# KiCad board HPM6E00FULLPORTRevB.kicad_pcb (continued)
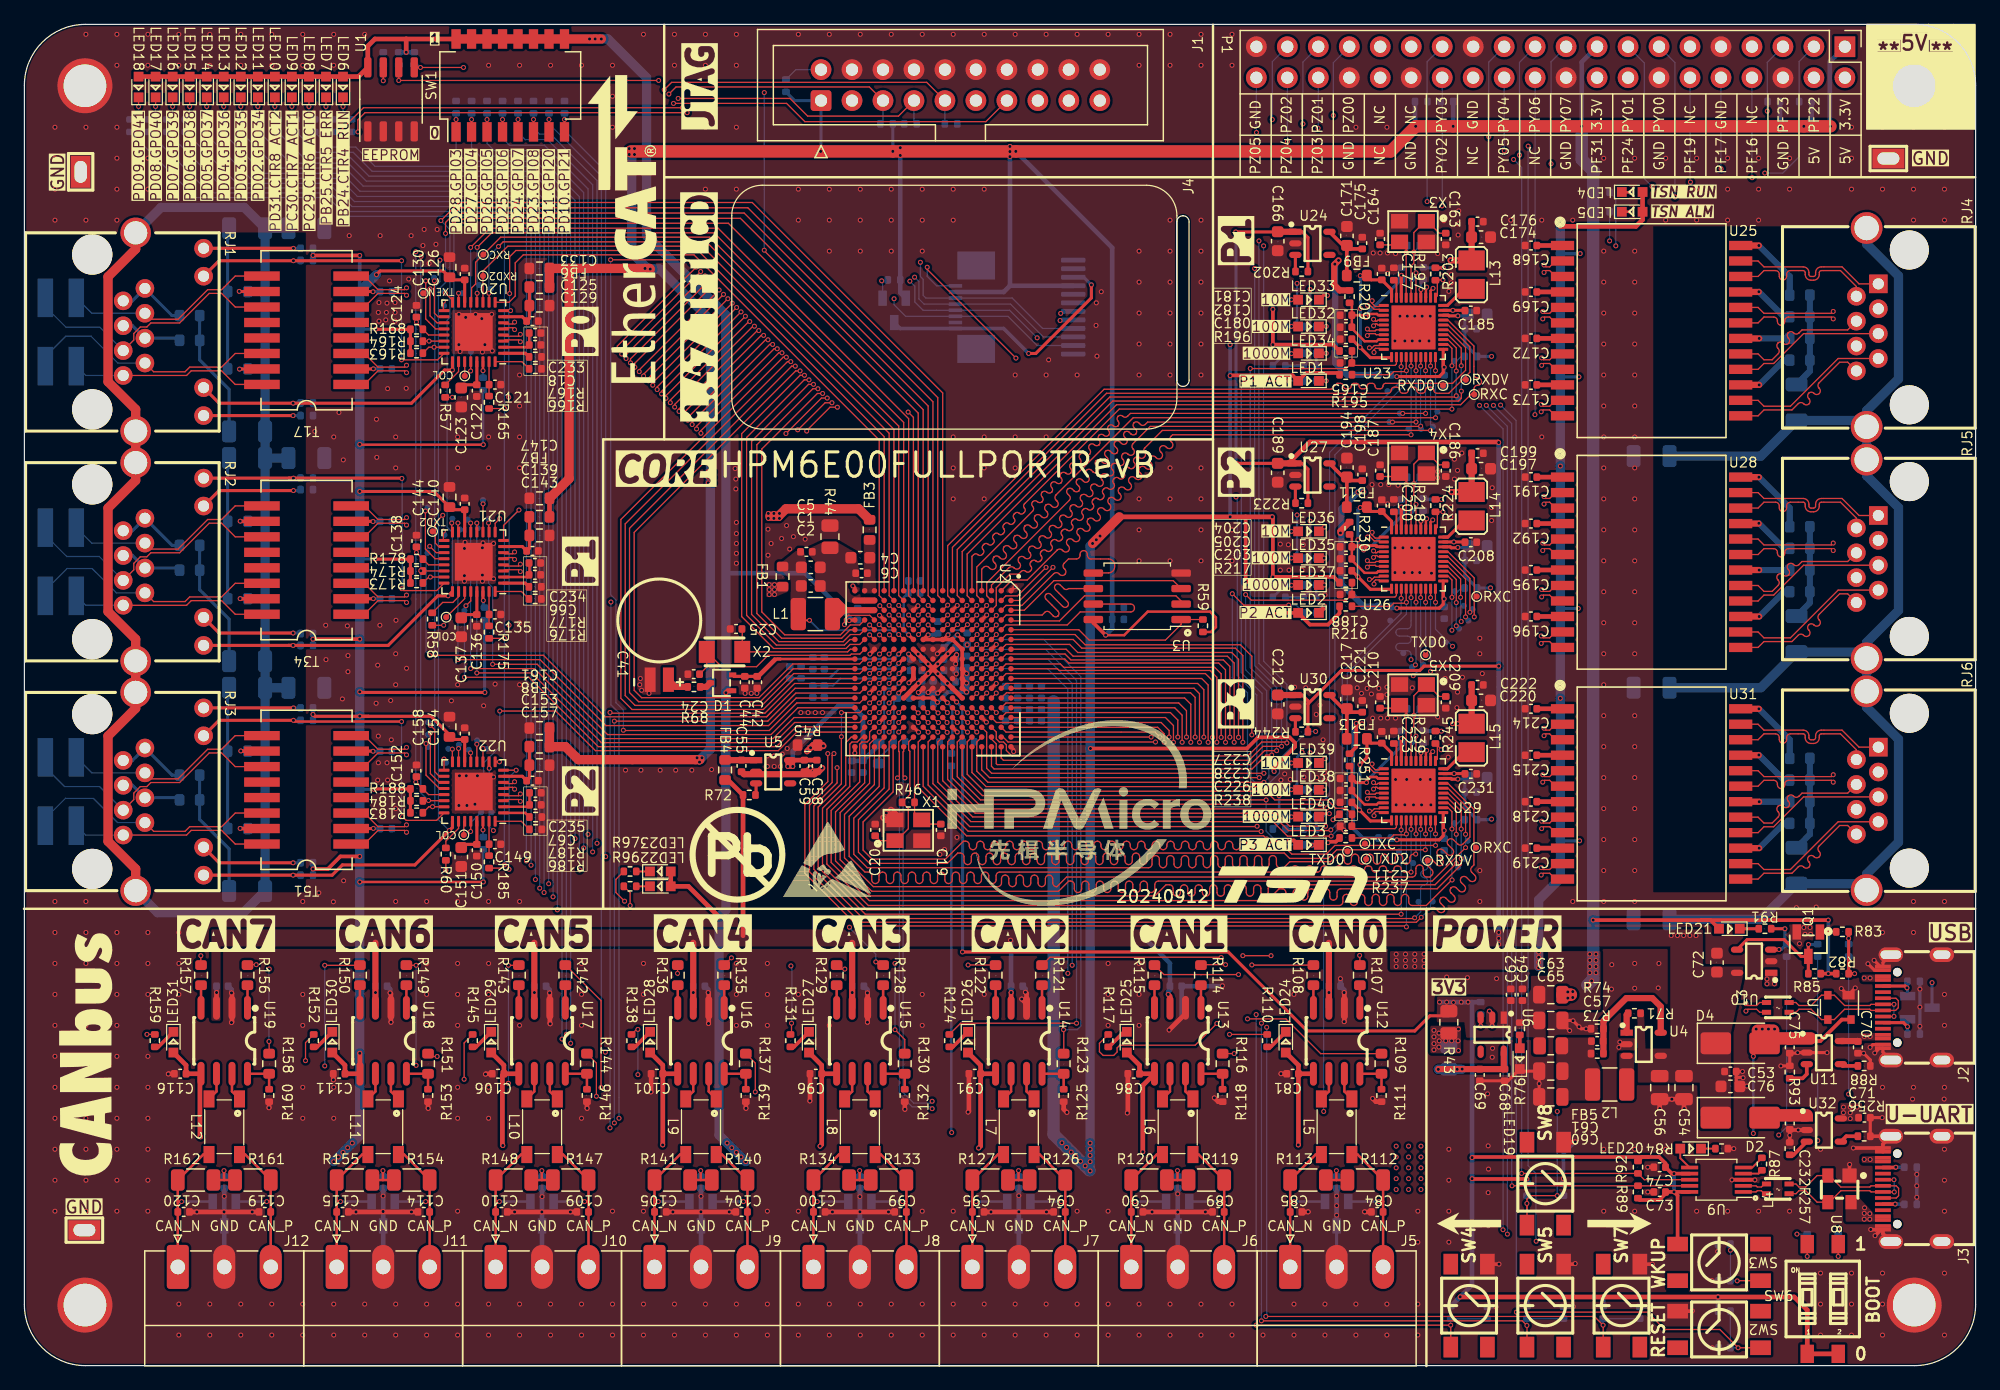
[diagram p0: board, top side]
## Routing (per net, layer and track width the routed paths; a pad name or vN(x,y) marks a point on that pad's centre or on a via; arc(x,y) is an arc through that point) (continued)
  Top w0.762: v1(47.31,108.8) SW1.16 ; 89.78,69.61 v1(87.59,67.43)
  POWER3 w0.254: v1(120.31,82.77) 121.38,82.77 123.05,81.09 v1(127.47,81.09) ; v1(120.23,63.79) 121.21,63.79 122.9,62.09 v1(127.42,62.09) ; v1(127.52,43.04) 123.1,43.04 121.33,44.82 v1(120.31,44.82)
  POWER3 w0.3: v1(125.95,73.78) 123.36,73.78 120.61,71.03 v1(116.19,71.03) ; v1(102.53,61.89) v1(100.14,64.28) ; v1(103.75,43.07) 105.45,44.77 v1(107.3,44.77) ; v1(103.75,43.07) 103.91,43.23 106.56,43.23 v1(106.9,42.89) ; v1(103.75,43.07) 102.48,44.34 v1(102.48,48.73) ; v1(116.19,52.03) 120.36,52.03 123.05,54.73 v1(125.95,54.73) ; v1(127.57,91.2) 121.73,91.2 120.56,90.03 v1(116.35,90.03) ; v1(102.89,46.75) 102.48,47.16 ; v1(102.38,83.73) v1(98.87,83.73)
  POWER3 w0.762: v1(25.36,16.73) 23.33,18.76 v1(14.44,18.76)
  Bottom w0.152: C29.1 77.08,60.31 76.11,60.31 v1(75.73,59.93)
  Bottom w0.203: v1(102.89,46.75) 102.89,45.53 R241.1 ; R56.1 v1(37.63,39.66) ; R47.1 37.61,75.55 v1(37.63,75.53)
  Bottom w0.254: 125.95,43.09 126,43.04 v1(127.52,43.04) ; 114.71,90.04 116.34,90.04 v1(116.35,90.03) ; v1(120.31,44.82) 120.26,44.77 R236.1 118.12,45.77 C216.1 118.12,47.96 C213.1 118.26,48.1 v1(117.54,48.1) ; v1(120.31,82.77) R194.1 118.12,83.77 C170.1 118.12,85.95 C167.1 118.26,86.1 v1(117.54,86.1) ; 27.37,52.92 27.5,52.8 ; v1(28.82,85) 27.5,85 ; 27.5,47.31 27.55,47.26 v1(28.67,47.26) ; v1(37.76,55.21) 37.73,55.23 37.73,61.15 ; v1(127.47,81.09) 125.95,81.09 ; v1(120.23,63.79) 120.21,63.77 R215.1 118.12,64.77 C193.1 118.12,66.95 C190.1 118.26,67.1 v1(117.54,67.1) ; v1(127.42,62.09) 125.95,62.09 ; v1(28.77,66.16) 27.5,66.16
  Bottom w0.3: v1(102.38,86.63) 102.38,87.42 R204.2 ; R3.2 v1(23.66,91.05) R2.2 ; 87.39,50.61 v1(87.42,50.61) ; v1(102.38,83.73) 102.38,83.73 R199.1 ; 27.5,88.1 v1(27.5,91.05) ; R225.2 102.38,69.56 v1(102.33,69.61) ; R246.2 102.38,48.84 v1(102.48,48.73) ; v1(116.19,71.03) 116.19,71.04 114.71,71.04 ; 114.71,52.04 116.19,52.04 v1(116.19,52.03) ; R10.2 v1(23.66,53.41) R11.2 ; R12.2 R9.2 ; v1(74.11,59.93) 74.76,59.93 C30.1 ; v1(102.38,64.68) 102.38,64.68 R220.1 ; v1(77.26,56.76) v1(77.26,55.97) v1(77.26,55.23) 75.71,55.23 v1(74.87,54.4) ; v1(127.57,91.2) 125.95,91.2 ; v1(98.87,83.73) v1(98.87,81.19) v1(98.87,69.61) ; R8.2 R5.2
  Bottom w0.381: 57.52,64.99 64.02,64.99 67.86,61.15 C43.2 ; R41.1 v1(31.31,107.71) R39.1
  Bottom w0.508: C28.2 v1(77.26,55.23)
  Bottom w0.762: v1(28.87,89.47) 27.5,88.1 v1(27.5,75.55) v1(27.5,71.69) v1(27.5,59.58) v1(27.5,55.26) v1(27.5,53.27) v1(27.5,39.66) v1(27.5,25.62) 27.5,18.86 v1(26.89,18.25) v1(26.51,17.87) v1(26.13,17.49) v1(25.75,17.11) v1(25.36,16.73) ; v1(87.9,67.73) v1(87.59,67.43) ; v1(87.39,15.97) v1(87.39,16.73) v1(87.39,17.24) v1(87.39,17.74) v1(87.39,18.25) 87.39,67.22 v1(88.2,68.04) ; v1(125.95,93.44) v1(125.95,73.78) v1(125.95,54.73) 125.95,39.97 124.17,38.19 v1(124.17,33.92) ; v1(46.34,108.8) v1(46.8,108.8) v1(47.31,108.8) 47.84,108.8 51.02,105.63 51.02,92.67 57.52,86.17 v1(57.52,55.18) 57.52,37.38 56.96,36.82 v1(56.96,36.79) 56.96,18.91 v1(57.62,18.25) v1(58,17.87) v1(58.38,17.49) v1(58.77,17.11) v1(59.15,16.73) ; 124.17,33.75 v1(124.17,33.49) 124.17,32.73
  Bottom w1.016: 87.34,16.02 v1(86.98,16.37) v1(86.6,16.75) v1(86.22,17.13) v1(85.84,17.52) v1(85.46,17.9) v1(85.08,18.28) 84.39,18.96 84.39,54.48
  vias: v1(112.49,33.75) v1(112.49,33.24) v1(112.49,32.73) v1(112.49,18) v1(112.49,17.11) v1(112.49,16.22) v1(112.49,15.33) v1(112.49,14.44) v1(113.25,33.75) v1(113.25,33.24) v1(113.25,32.73) v1(113.5,18) v1(113.5,17.11) v1(113.5,16.22) v1(113.5,15.33) v1(113.5,14.44) v1(114.01,33.75) v1(114.01,33.24) v1(114.01,32.73) v1(114.52,18) v1(114.52,17.11) v1(114.52,16.22) v1(114.52,15.33) v1(114.52,14.44) v1(114.77,33.75) v1(114.77,33.24) v1(114.77,32.73) v1(115.59,27.5) v1(115.59,26.96) v1(115.59,26.41) v1(115.59,25.9) v1(115.99,27.27) v1(116.02,26.63) v1(115.99,26.13) v1(116.55,26.63) v1(117.03,26.63) v1(117.59,27.6) v1(117.57,26.63) v1(117.59,25.85) v1(124.17,33.07) v1(124.17,32.65)
VDD_SOC: length 13.4
  Top w0.254: v1(76.52,59.93) 76.9,59.55 U2.F6
  Top w0.381: U2.L7 v1(73.29,58.36) v1(74.11,57.55) v1(74.91,56.75) v1(75.69,55.96) U2.F12 ; U2.G7 v1(75.73,58.38) v1(74.89,57.55) v1(74.11,56.76) v1(73.31,55.96) U2.M12
  Bottom w0.3: v1(76.52,59.93) 76.45,59.93 C17.1
  vias: v1(61.08,64.05) v1(61.08,63.64) v1(61.08,63.24) v1(61.51,64.05) v1(61.51,63.64) v1(61.51,63.24)
/HPM6E00 FULL PORT MAINENTRY/02-USB-OSC/RESETN: length 186.7
  Top w0.102: U2.T4 68.49,60.75 67.72,60.75 66.91,59.93 62.35,59.93 60.47,61.81 60.47,75.17 65.02,79.73 v1(65.46,79.73) ; v1(122.34,4.39) 133.08,4.39 134.51,2.96 139.03,2.96 v1(140.53,1.46) SW2.4
  POWER3 w0.102: v1(65.46,79.73) 65.47,79.72 116.32,79.72 117.36,80.76 119.07,80.76 v1(121.05,78.78)
  Bottom w0.102: 122.32,32.25 122.32,32.2 ; 122.32,32.25 122.32,77.51 v1(121.05,78.78) ; 122.32,32.25 122.34,32.22 v1(122.34,4.39) ; v1(140.53,1.46) C22.1 139.89,4.46 R48.2
/HPM6E00 FULL PORT MAINENTRY/02-USB-OSC/RTC_XI: length 11.2
  Top w0.102: U2.U7 67.72,58.75 67.5,58.54 X2.2 58.87,60.39 C25.1
/HPM6E00 FULL PORT MAINENTRY/02-USB-OSC/RTC_XO: length 16.1
  Top w0.102: C24.1 55.95,57.29 X2.1 57.17,57.32 60.04,57.32 60.98,58.26 67.71,58.26 67.81,58.36 68.51,58.36 U2.T7
/HPM6E00 FULL PORT MAINENTRY/02-USB-OSC/WAKEUP: length 220.5
  Top w0.102: v1(140.45,6.95) 140.47,6.96 SW3.4 ; v1(60.62,84.49) 60.42,84.49 54.04,78.11 v1(54.04,77.9) ; v1(67.25,60.77) 67.25,61.22 67.56,61.53 69.32,61.53 U2.R4
  POWER3 w0.102: v1(139.9,9.46) 139.16,10.2 v1(123.97,10.2) ; v1(54.04,77.9) 54.02,77.87 54.02,66.56 59.81,60.77 v1(67.25,60.77) ; v1(60.62,84.49) 60.62,84.5 75.96,84.5 91.48,100.02 v1(123.31,100.02)
  Bottom w0.102: v1(123.97,10.2) 123.94,10.23 123.94,15.76 123.31,16.4 v1(123.31,100.02) ; R50.2 v1(139.9,9.46) 139.9,6.97 C26.1 139.9,6.95 v1(140.45,6.95)
/HPM6E00 FULL PORT MAINENTRY/04-FlASH-PB/CS0: length 17
  Top w0.102: R59.1 U3.1 94.85,60.79 93.56,59.5 87.32,59.5 86.46,60.35 U2.A5
/HPM6E00 FULL PORT MAINENTRY/04-FlASH-PB/D0: length 15.2
  Top w0.102: U3.5 87.67,65.01 88.9,65.01 arc(89.25,65.16) 89.4,65.51 89.4,65.66 arc(89.25,66.01) 88.9,66.16 87.46,66.16 arc(87.25,66.24) 87.16,66.46 87.16,66.55 arc(87.08,66.76) 86.86,66.85 arc(86.65,66.76) 86.56,66.55 86.56,66.46 arc(86.48,66.24) 86.26,66.16 85.61,66.16 85.26,65.8 arc(85.17,65.59) 85.26,65.37 85.32,65.31 arc(85.41,65.1) 85.32,64.89 arc(85.11,64.8) 84.89,64.89 84.83,64.95 arc(84.62,65.04) 84.41,64.95 81.8,62.35 80.49,62.35 U2.B3
/HPM6E00 FULL PORT MAINENTRY/04-FlASH-PB/D1: length 15.3
  Top w0.102: U3.2 94.85,62.71 94.43,63.13 86.93,63.13 84.88,61.08 80.98,61.08 U2.A4
/HPM6E00 FULL PORT MAINENTRY/04-FlASH-PB/D2: length 15.2
  Top w0.102: U3.3 94.2,64.38 84.42,64.38 81.99,61.95 U2.A3
/HPM6E00 FULL PORT MAINENTRY/04-FlASH-PB/D3: length 15.3
  Top w0.102: U2.B5 80.49,60.75 85.51,60.75 86.58,61.81 90.72,61.81 arc(90.94,61.9) 91.02,62.11 91.02,62.16 arc(90.94,62.37) 90.72,62.46 U3.7
/HPM6E00 FULL PORT MAINENTRY/04-FlASH-PB/SCLK: length 15.2
  Top w0.102: U3.6 85.62,63.73 arc(85.43,63.65) 85.24,63.73 84.94,64.03 arc(84.74,64.11) 84.55,64.03 arc(84.47,63.83) 84.55,63.64 85.53,62.65 arc(85.61,62.46) 85.53,62.26 arc(85.34,62.18) 85.14,62.26 84.16,63.25 arc(83.96,63.33) 83.77,63.25 arc(83.69,63.06) 83.77,62.86 84.76,61.87 arc(84.84,61.68) 84.76,61.49 arc(84.56,61.41) 84.37,61.49 84.07,61.78 arc(83.87,61.87) 83.68,61.78 83.45,61.56 80.51,61.56 U2.B4
/HPM6E00 FULL PORT MAINENTRY/10-USB-BOOT-KEY-LED/_+: length 11.5
  Top w0.102: v1(153.33,14.24) 152.41,14.24 J3.A6 151.42,14.25 151.33,14.34 148.95,14.34 148.01,13.4 U8.3 147.01,13.4 146.07,14.34 145.52,14.34 145.27,14.1 L4.1 ; v1(153.3,15.25) J3.B6
  Bottom w0.102: v1(153.33,14.24) 153.33,15.22 v1(153.3,15.25)
/HPM6E00 FULL PORT MAINENTRY/10-USB-BOOT-KEY-LED/_-: length 12
  Top w0.102: L4.4 145.27,14.9 145.52,14.65 146.07,14.65 147.01,15.59 U8.2 148.01,15.59 148.95,14.65 151.33,14.65 151.42,14.75 J3.A7 153.48,14.75 153.69,14.54 153.69,13.93 153.5,13.75 J3.B7
/HPM6E00 FULL PORT MAINENTRY/10-USB-BOOT-KEY-LED/UD+: length 2
  Top w0.102: L4.2 142.68,14.1 142.43,14.34 142.1,14.34 142,14.25 U9.1
/HPM6E00 FULL PORT MAINENTRY/10-USB-BOOT-KEY-LED/UD-: length 2
  Top w0.102: L4.3 142.68,14.9 142.43,14.65 142.1,14.65 142,14.75 U9.2
/HPM6E00 FULL PORT MAINENTRY/10-USB-BOOT-KEY-LED/USB0+: length 11.8
  Top w0.102: L3.1 145.27,28.98 145.52,29.23 146.51,29.23 147.36,28.38 U7.3 148.41,28.38 149.26,29.23 151.33,29.23 151.42,29.13 J2.A6 153.44,29.13 153.66,29.35 153.66,29.94 153.47,30.13 J2.B6
/HPM6E00 FULL PORT MAINENTRY/10-USB-BOOT-KEY-LED/USB0-: length 11.3
  Top w0.102: v1(153.3,29.63) 153.3,29.63 J2.A7 151.42,29.63 151.33,29.53 149.26,29.53 148.41,30.38 U7.2 147.36,30.38 146.51,29.53 145.52,29.53 145.27,29.78 L3.4 ; v1(153.3,28.64) 153.29,28.63 J2.B7
  Bottom w0.102: v1(153.3,28.64) 153.3,28.64 v1(153.3,29.63)
/HPM6E00 FULL PORT MAINENTRY/13-CAN0/CANH_P: length 13.4
  Top w0.203: v1(111.09,13.45) 111.41,13.45 ; 111.41,13.45 R112.2 109.33,17.31 L5.4 ; 111.41,13.45 J5.3
  Bottom w0.203: v1(111.09,13.45) 111.09,13.45 D5.2
/HPM6E00 FULL PORT MAINENTRY/13-CAN0/CANL_N: length 13.4
  Top w0.203: L5.3 105.88,17.31 R113.1 103.79,13.45 ; J5.1 103.79,13.45 ; 103.79,13.45 v1(104.1,13.45)
  Bottom w0.203: D5.1 v1(104.11,13.45)
/HPM6E00 FULL PORT MAINENTRY/14-CAN1/CANH_P: length 13.4
  Top w0.203: v1(98.06,13.45) 98.38,13.45 ; 98.38,13.45 J6.3 ; 98.38,13.45 R119.2 96.29,17.31 L6.4
  Bottom w0.203: D6.2 v1(98.06,13.45)
/HPM6E00 FULL PORT MAINENTRY/14-CAN1/CANL_N: length 13.4
  Top w0.203: v1(91.07,13.45) 90.76,13.45 ; 90.76,13.45 R120.1 92.85,17.31 L6.3 ; 90.76,13.45 J6.1
  Bottom w0.203: D6.1 v1(91.07,13.45)
/HPM6E00 FULL PORT MAINENTRY/15-CAN2/CANH_P: length 13.4
  Top w0.203: v1(85.03,13.45) 85.35,13.45 ; 85.35,13.45 R126.2 83.26,17.31 L7.4 ; 85.35,13.45 J7.3
  Bottom w0.203: D7.2 85.03,13.45 v1(85.03,13.45)
/HPM6E00 FULL PORT MAINENTRY/15-CAN2/CANL_N: length 13.4
  Top w0.203: 77.73,13.45 R127.1 79.82,17.31 L7.3 ; 77.73,13.45 J7.1 ; 77.73,13.45 v1(78.04,13.45)
  Bottom w0.203: v1(78.04,13.45) 78.04,13.45 D7.1
/HPM6E00 FULL PORT MAINENTRY/16-CAN3/CANH_P: length 13.4
  Top w0.203: J8.3 72.32,13.45 ; 72.32,13.45 R133.2 70.23,17.31 L8.4 ; 72.32,13.45 v1(72,13.45)
  Bottom w0.203: D8.2 v1(72,13.45)
/HPM6E00 FULL PORT MAINENTRY/16-CAN3/CANL_N: length 13.4
  Top w0.203: v1(65.01,13.45) 64.7,13.45 ; 64.7,13.45 J8.1 ; 64.7,13.45 R134.1 66.79,17.31 L8.3
  Bottom w0.203: D8.1 v1(65.01,13.45)
/HPM6E00 FULL PORT MAINENTRY/17-CAN4/CANH_P: length 13.4
  Top w0.203: 59.29,13.45 R140.2 57.2,17.31 L9.4 ; 59.29,13.45 v1(58.97,13.45) ; 59.29,13.45 J9.3
  Bottom w0.203: D9.2 v1(58.97,13.45)
/HPM6E00 FULL PORT MAINENTRY/17-CAN4/CANL_N: length 13.4
  Top w0.203: J9.1 51.67,13.45 ; 51.67,13.45 v1(51.98,13.45) ; 51.67,13.45 R141.1 53.76,17.31 L9.3
  Bottom w0.203: D9.1 v1(51.98,13.45)
/HPM6E00 FULL PORT MAINENTRY/18-CAN5/CANH_P: length 13.4
  Top w0.203: J10.3 46.26,13.45 ; 46.26,13.45 R147.2 44.17,17.31 L10.4 ; 46.26,13.45 v1(45.94,13.45)
  Bottom w0.203: v1(45.94,13.45) 45.93,13.45 D10.2
/HPM6E00 FULL PORT MAINENTRY/18-CAN5/CANL_N: length 13.4
  Top w0.203: v1(38.95,13.45) 38.64,13.45 ; 38.64,13.45 J10.1 ; 38.64,13.45 R148.1 40.73,17.31 L10.3
  Bottom w0.203: D10.1 v1(38.95,13.45)
/HPM6E00 FULL PORT MAINENTRY/19-CAN6/CANH_P: length 13.4
  Top w0.203: L11.4 31.14,17.31 R154.2 33.23,13.45 ; 33.23,13.45 v1(32.9,13.45) ; 33.23,13.45 J11.3
  Bottom w0.203: D11.2 v1(32.9,13.45)
/HPM6E00 FULL PORT MAINENTRY/19-CAN6/CANL_N: length 13.4
  Top w0.203: v1(25.92,13.45) 25.61,13.45 ; 25.61,13.45 J11.1 ; 25.61,13.45 R155.1 27.7,17.31 L11.3
  Bottom w0.203: D11.1 v1(25.92,13.45)
/HPM6E00 FULL PORT MAINENTRY/20-CAN7/CANH_P: length 13.4
  Top w0.203: v1(19.87,13.45) 20.2,13.45 ; 20.2,13.45 J12.3 ; 20.2,13.45 R161.2 18.11,17.31 L12.4
  Bottom w0.203: v1(19.87,13.45) 19.87,13.45 D12.2
/HPM6E00 FULL PORT MAINENTRY/20-CAN7/CANL_N: length 13.4
  Top w0.203: J12.1 12.58,13.45 ; 12.58,13.45 v1(12.89,13.45) ; 12.58,13.45 R162.1 14.67,17.31 L12.3
  Bottom w0.203: v1(12.89,13.45) 12.89,13.45 D12.1
/HPM6E00 FULL PORT MAINENTRY/21-ETHERCAT-P0/JL_3.3V: length 4.9
  Top w0.254: U20.7 40.82,86.02 C129.1 41.41,85.89 FB6.2
/HPM6E00 FULL PORT MAINENTRY/21-ETHERCAT-P0/JL_LED0: length 29.2
  Top w0.102: U20.24 33.88,82.49 v1(30.93,82.49)
  Top w0.254: v1(30.93,90.62) v1(22.06,90.62) 15.96,90.62 RJ1.10
  Bottom w0.102: v1(30.93,82.49) v1(30.93,90.62)
  Bottom w0.254: v1(22.06,90.62) 22.64,90.62
/HPM6E00 FULL PORT MAINENTRY/21-ETHERCAT-P0/JL_RJ45_9: length 7.9
  Top w0.254: RJ1.9 22.06,91.64
  Bottom w0.254: v1(22.06,91.63) 22.64,91.63
/HPM6E00 FULL PORT MAINENTRY/21-ETHERCAT-P0/JL_RJ45_12: length 8
  Top w0.254: RJ1.12 v1(22.04,77.92)
  Bottom w0.254: v1(22.04,77.92) R4.1
/HPM6E00 FULL PORT MAINENTRY/21-ETHERCAT-P0/RD_N: length 16.2
  Top w0.102: T17.8 27.87,89.36 28.99,88.24 31.18,88.24 v1(31.33,88.4) ; U20.6 39.39,85.43 40.04,85.43 v1(40.2,85.58)
  POWER3 w0.102: v1(40.2,85.58) 40.04,85.43 35.52,85.43 32.7,88.24 31.49,88.24 v1(31.33,88.4)
/HPM6E00 FULL PORT MAINENTRY/21-ETHERCAT-P0/RD_P: length 16.2
  Top w0.102: v1(31.33,87.79) 31.18,87.94 28.99,87.94 27.87,86.82 T17.6 ; U20.5 39.39,85.12 40.04,85.12 v1(40.2,84.97)
  POWER3 w0.102: v1(31.33,87.79) 31.49,87.94 32.58,87.94 35.39,85.12 40.04,85.12 v1(40.2,84.97)
/HPM6E00 FULL PORT MAINENTRY/21-ETHERCAT-P0/RX+: length 22.7
  Top w0.102: RJ1.3 8.97,84.11 8.97,84.64 9.51,85.18 10.04,85.18 10.37,85.51 12.73,85.51 15.16,87.94 16.17,87.94 17.29,86.82 T17.11
  Bottom w0.102: RJ1.3 6.19,85.16 3.42,85.16 1.72,86.86 J13.1
/HPM6E00 FULL PORT MAINENTRY/21-ETHERCAT-P0/RX-: length 17.4
  Top w0.102: T17.9 17.29,89.36 16.17,88.24 15.03,88.24 12.6,85.82 10.37,85.82 RJ1.6
  Bottom w0.102: RJ1.6 5.53,86.31 J13.3
/HPM6E00 FULL PORT MAINENTRY/21-ETHERCAT-P0/TD_N: length 17.1
  Top w0.102: v1(31.33,82.05) 31.18,81.89 28.99,81.89 27.87,83.01 T17.3 ; v1(40.67,84.58) 40.52,84.43 39.39,84.43 U20.4
  POWER3 w0.102: v1(40.67,84.58) 40.52,84.43 35.04,84.43 32.5,81.89 31.49,81.89 v1(31.33,82.05)
/HPM6E00 FULL PORT MAINENTRY/21-ETHERCAT-P0/TD_P: length 17.1
  Top w0.102: v1(31.33,81.44) 31.18,81.59 28.99,81.59 27.87,80.47 T17.1 ; U20.3 39.39,84.12 40.52,84.12 v1(40.67,83.97)
  POWER3 w0.102: v1(40.67,83.97) 40.52,84.12 35.16,84.12 32.63,81.59 31.49,81.59 v1(31.33,81.44)
/HPM6E00 FULL PORT MAINENTRY/21-ETHERCAT-P0/TX+: length 16.2
  Top w0.102: T17.16 17.29,80.47 16.17,81.59 13.68,81.59 13.3,81.21 RJ1.1
  Bottom w0.102: RJ1.1 5.03,81.21 J13.4
/HPM6E00 FULL PORT MAINENTRY/21-ETHERCAT-P0/TX-: length 21
  Top w0.102: RJ1.2 10.6,81.51 13.17,81.51 13.56,81.89 16.17,81.89 17.29,83.01 T17.14
  Bottom w0.102: RJ1.2 7.67,82.23 5.48,84.42 3.39,84.42 1.72,82.74 J13.2
/HPM6E00 FULL PORT MAINENTRY/22-ETHERCAT-P1/JL_3.3V: length 4.9
  Top w0.254: U21.7 40.82,67.18 C143.1 41.41,67.04 FB7.2
/HPM6E00 FULL PORT MAINENTRY/22-ETHERCAT-P1/JL_LED0: length 30
  Top w0.102: v1(30.95,63.72) 31.1,63.57 33.81,63.57 U21.24
  Top w0.254: RJ2.9 21.71,72.79 ; 21.71,72.79 30.93,72.79 v1(30.95,72.76) ; 21.71,72.79 22.06,72.79
  Bottom w0.102: v1(30.95,63.72) 30.98,63.74 30.98,72.74 v1(30.95,72.76)
  Bottom w0.254: v1(22.06,72.78) 22.64,72.78
/HPM6E00 FULL PORT MAINENTRY/22-ETHERCAT-P1/JL_RJ45_10: length 8.5
  Top w0.254: v1(22.06,71.77) 15.96,71.77 RJ2.10
  Bottom w0.254: v1(22.06,71.77) 22.64,71.77
/HPM6E00 FULL PORT MAINENTRY/22-ETHERCAT-P1/JL_RJ45_11: length 8.5
  Top w0.254: RJ2.11 15.97,60.08 v1(22.04,60.08)
  Bottom w0.254: v1(22.04,60.08) 22.64,60.08
/HPM6E00 FULL PORT MAINENTRY/22-ETHERCAT-P1/RD_N: length 16.2
  Top w0.102: U21.6 39.39,66.58 40.04,66.58 v1(40.2,66.73) ; T34.8 27.87,70.51 28.99,69.39 31.18,69.39 v1(31.33,69.55)
  POWER3 w0.102: v1(40.2,66.73) 40.04,66.58 35.52,66.58 32.7,69.39 31.49,69.39 v1(31.33,69.55)
/HPM6E00 FULL PORT MAINENTRY/22-ETHERCAT-P1/RD_P: length 16.2
  Top w0.102: v1(40.2,66.12) 40.04,66.27 39.39,66.27 U21.5 ; T34.6 27.87,67.97 28.99,69.09 31.18,69.09 v1(31.33,68.94)
  POWER3 w0.102: v1(31.33,68.94) 31.49,69.09 32.58,69.09 35.39,66.27 40.04,66.27 v1(40.2,66.12)
/HPM6E00 FULL PORT MAINENTRY/22-ETHERCAT-P1/RX+: length 22.6
  Top w0.102: RJ2.3 8.97,65.26 8.97,65.8 9.51,66.33 10.04,66.33 10.37,66.66 12.73,66.66 15.16,69.09 16.17,69.09 17.29,67.97 T34.11
  Bottom w0.102: RJ2.3 6.14,66.36 3.47,66.36 1.72,68.11 J14.1
/HPM6E00 FULL PORT MAINENTRY/22-ETHERCAT-P1/RX-: length 17.4
  Top w0.102: T34.9 17.29,70.51 16.17,69.39 15.03,69.39 12.6,66.97 10.37,66.97 RJ2.6
  Bottom w0.102: J14.3 5.53,67.46 RJ2.6
/HPM6E00 FULL PORT MAINENTRY/22-ETHERCAT-P1/TD_N: length 17.1
  Top w0.102: v1(31.33,63.2) 31.18,63.04 28.99,63.04 27.87,64.16 T34.3 ; v1(40.67,65.73) 40.52,65.58 39.39,65.58 U21.4
  POWER3 w0.102: v1(31.33,63.2) 31.49,63.04 32.5,63.04 35.04,65.58 40.52,65.58 v1(40.67,65.73)
/HPM6E00 FULL PORT MAINENTRY/22-ETHERCAT-P1/TD_P: length 17.1
  Top w0.102: U21.3 39.39,65.27 40.52,65.27 v1(40.67,65.12) ; v1(31.33,62.59) 31.18,62.74 28.99,62.74 27.87,61.62 T34.1
  POWER3 w0.102: v1(31.33,62.59) 31.49,62.74 32.63,62.74 35.16,65.27 40.52,65.27 v1(40.67,65.12)
/HPM6E00 FULL PORT MAINENTRY/22-ETHERCAT-P1/TX+: length 16.2
  Top w0.102: RJ2.1 13.3,62.36 13.68,62.74 16.17,62.74 17.29,61.62 T34.16
  Bottom w0.102: J14.4 5.03,62.36 RJ2.1
/HPM6E00 FULL PORT MAINENTRY/22-ETHERCAT-P1/TX-: length 20.7
  Top w0.102: T34.14 17.29,64.16 16.17,63.04 13.56,63.04 13.17,62.66 10.6,62.66 RJ2.2
  Bottom w0.102: J14.2 1.72,63.59 3.5,65.37 5.55,65.37 7.54,63.38 RJ2.2
/HPM6E00 FULL PORT MAINENTRY/23-ETHERCAT-P2/JL_3.3V: length 4.9
  Top w0.254: FB8.2 41.41,48.2 C157.1 40.82,48.33 U22.7
/HPM6E00 FULL PORT MAINENTRY/23-ETHERCAT-P2/JL_LED0: length 29
  Top w0.102: U22.24 33.8,44.72 31.31,44.72 v1(31,45.02)
  Top w0.203: v1(30.93,52.82) 22.16,52.82 v1(22.06,52.92)
  Top w0.254: v1(22.06,52.92) 15.96,52.92 RJ3.10
  Bottom w0.102: v1(31,45.02) 30.93,45.1 v1(30.93,52.82)
  Bottom w0.254: v1(22.06,52.92) R10.1
/HPM6E00 FULL PORT MAINENTRY/23-ETHERCAT-P2/JL_RJ45_9: length 8
  Top w0.254: RJ3.9 22.06,53.94 v1(22.06,53.94)
  Bottom w0.254: R11.1 22.64,53.94 v1(22.06,53.94)
/HPM6E00 FULL PORT MAINENTRY/23-ETHERCAT-P2/JL_RJ45_11: length 8.5
  Top w0.254: RJ3.11 15.97,41.24 v1(22.04,41.24)
  Bottom w0.254: v1(22.04,41.24) R12.1
/HPM6E00 FULL PORT MAINENTRY/23-ETHERCAT-P2/RD_N: length 16.2
  Top w0.102: U22.6 39.39,47.73 40.04,47.73 v1(40.2,47.89) ; T51.8 27.87,51.67 28.99,50.55 31.18,50.55 v1(31.33,50.7)
  POWER3 w0.102: v1(31.33,50.7) 31.49,50.55 32.7,50.55 35.52,47.73 40.04,47.73 v1(40.2,47.89)
/HPM6E00 FULL PORT MAINENTRY/23-ETHERCAT-P2/RD_P: length 16.2
  Top w0.102: T51.6 27.87,49.13 28.99,50.25 31.18,50.25 v1(31.33,50.09) ; v1(40.2,47.28) 40.04,47.43 39.39,47.43 U22.5
  POWER3 w0.102: v1(40.2,47.28) 40.04,47.43 35.39,47.43 32.58,50.25 31.49,50.25 v1(31.33,50.09)
/HPM6E00 FULL PORT MAINENTRY/23-ETHERCAT-P2/RX+: length 22.8
  Top w0.102: T51.11 17.29,49.13 16.17,50.25 15.16,50.25 12.73,47.82 10.37,47.82 10.04,47.49 9.51,47.49 8.97,46.95 8.97,46.42 RJ3.3
  Bottom w0.102: RJ3.3 6.17,47.49 3.29,47.49 1.72,49.06 J15.1
/HPM6E00 FULL PORT MAINENTRY/23-ETHERCAT-P2/RX-: length 17.4
  Top w0.102: T51.9 17.29,51.67 16.17,50.55 15.03,50.55 12.6,48.13 10.37,48.13 RJ3.6
  Bottom w0.102: J15.3 5.53,48.61 RJ3.6
/HPM6E00 FULL PORT MAINENTRY/23-ETHERCAT-P2/TD_N: length 17.1
  Top w0.102: v1(31.33,44.35) 31.18,44.2 28.99,44.2 27.87,45.32 T51.3 ; U22.4 39.39,46.73 40.52,46.73 v1(40.67,46.89)
  POWER3 w0.102: v1(40.67,46.89) 40.52,46.73 35.04,46.73 32.5,44.2 31.49,44.2 v1(31.33,44.35)
/HPM6E00 FULL PORT MAINENTRY/23-ETHERCAT-P2/TD_P: length 17.1
  Top w0.102: U22.3 39.39,46.43 40.52,46.43 v1(40.67,46.28) ; v1(31.33,43.74) 31.18,43.9 28.99,43.9 27.87,42.78 T51.1
  POWER3 w0.102: v1(31.33,43.74) 31.49,43.9 32.63,43.9 35.16,46.43 40.52,46.43 v1(40.67,46.28)
/HPM6E00 FULL PORT MAINENTRY/23-ETHERCAT-P2/TX+: length 16.2
  Top w0.102: T51.16 17.29,42.78 16.17,43.9 13.68,43.9 13.3,43.51 RJ3.1
  Bottom w0.102: RJ3.1 5.03,43.51 J15.4
/HPM6E00 FULL PORT MAINENTRY/23-ETHERCAT-P2/TX-: length 20.8
  Top w0.102: RJ3.2 10.6,43.82 13.17,43.82 13.56,44.2 16.17,44.2 17.29,45.32 T51.14
  Bottom w0.102: J15.2 1.72,44.87 3.37,46.52 5.65,46.52 7.64,44.53 RJ3.2
/HPM6E00 FULL PORT MAINENTRY/24-TSN-P1/G1_DA+: length 13.1
  Top w0.102: RJ4.1 150.44,88.72 149.04,90.11 147.35,90.11 arc(147.02,89.98) 146.88,89.64 146.88,89.49 arc(146.83,89.37) 146.71,89.33 146.5,89.33 arc(146.38,89.37) 146.33,89.49 146.33,89.64 arc(146.19,89.98) 145.86,90.11 142.64,90.11 142.16,90.6 U25.23
/HPM6E00 FULL PORT MAINENTRY/24-TSN-P1/G1_DA-: length 13.1
  Top w0.102: RJ4.2 150.22,88.5 148.92,89.81 147.35,89.81 arc(147.23,89.76) 147.18,89.64 147.18,89.49 arc(147.04,89.16) 146.71,89.02 146.5,89.02 arc(146.17,89.16) 146.03,89.49 146.03,89.64 arc(145.98,89.76) 145.86,89.81 144.8,89.81 arc(144.59,89.72) 144.5,89.51 144.5,89.33 arc(144.41,89.12) 144.2,89.03 arc(143.99,89.12) 143.9,89.33 143.9,89.51 arc(143.81,89.72) 143.6,89.81 142.64,89.81 142.16,89.33 U25.22
/HPM6E00 FULL PORT MAINENTRY/24-TSN-P1/G1_DB+: length 11.6
  Top w0.102: U25.20 142.16,86.79 142.64,86.3 148.17,86.3 v1(148.33,86.46)
  POWER3 w0.102: RJ4.3 148.55,86.68 v1(148.33,86.46)
/HPM6E00 FULL PORT MAINENTRY/24-TSN-P1/G1_DB-: length 11.7
  Top w0.102: U25.19 142.16,85.52 142.64,86 143.45,86 arc(143.66,85.91) 143.75,85.7 143.75,85.62 arc(143.84,85.41) 144.05,85.32 arc(144.26,85.41) 144.35,85.62 144.35,85.7 arc(144.44,85.91) 144.65,86 148.17,86 v1(148.33,85.85)
  POWER3 w0.102: RJ4.6 150.22,83.94 148.33,85.84 v1(148.33,85.85)
/HPM6E00 FULL PORT MAINENTRY/24-TSN-P1/G1_DC+: length 12.5
  Top w0.102: U25.17 142.16,82.98 142.64,82.49 143.31,82.49 143.81,82.99 arc(143.9,83.2) 143.81,83.41 143.79,83.44 arc(143.7,83.65) 143.79,83.86 arc(144,83.95) 144.21,83.86 144.24,83.84 arc(144.45,83.75) 144.66,83.84 arc(144.75,84.05) 144.66,84.26 144.64,84.29 arc(144.55,84.5) 144.64,84.71 arc(144.85,84.8) 145.06,84.71 145.08,84.69 arc(145.3,84.6) 145.51,84.69 145.76,84.94 149.51,84.94 RJ4.4
/HPM6E00 FULL PORT MAINENTRY/24-TSN-P1/G1_DC-: length 12.5
  Top w0.102: U25.16 142.16,81.71 142.64,82.19 143.44,82.19 145.89,84.64 RJ4.5
/HPM6E00 FULL PORT MAINENTRY/24-TSN-P1/G1_DD+: length 13.1
  Top w0.102: RJ4.7 148.73,82.6 144.81,78.68 142.64,78.68 142.16,79.17 U25.14
/HPM6E00 FULL PORT MAINENTRY/24-TSN-P1/G1_DD-: length 13.1
  Top w0.102: U25.13 142.16,77.9 142.64,78.38 144.94,78.38 145.46,78.9 arc(145.67,78.99) 145.89,78.9 145.91,78.88 arc(146.12,78.79) 146.33,78.88 arc(146.42,79.09) 146.33,79.3 146.31,79.33 arc(146.22,79.54) 146.31,79.75 arc(146.52,79.84) 146.73,79.75 146.76,79.73 arc(146.97,79.64) 147.18,79.73 arc(147.27,79.94) 147.18,80.15 147.16,80.17 arc(147.07,80.39) 147.16,80.6 148.85,82.29 149.51,82.29 RJ4.8
/HPM6E00 FULL PORT MAINENTRY/24-TSN-P1/LED0: length 10.6
  Top w0.203: U23.32 115.31,88.15 v1(115.51,88.36) ; LED33.1 106.5,87.77 v1(106.85,87.77)
  POWER3 w0.203: v1(106.85,87.77) 114.93,87.77 v1(115.51,88.36)
/HPM6E00 FULL PORT MAINENTRY/24-TSN-P1/LED1: length 16.4
  Top w0.203: LED32.2 103.91,85.22 v1(103.9,85.23) ; U23.33 114.92,87.6 114.92,88.39 v1(114.99,88.45)
  POWER3 w0.203: v1(114.99,88.45) 114.68,88.76 v1(104.36,88.76)
  Bottom w0.203: v1(104.36,88.76) 104.36,85.69 v1(103.9,85.23) 103.41,85.23 R200.1
/HPM6E00 FULL PORT MAINENTRY/24-TSN-P1/LED2: length 19.2
  Top w0.203: v1(114.52,88.25) 114.51,88.24 U23.34
  POWER3 w0.203: v1(105.43,88.25) v1(114.52,88.25)
  Bottom w0.203: 114.71,89.02 114.52,88.83 v1(114.52,88.25) ; 104.31,82.01 104.89,82.01 105.43,82.54 v1(105.43,88.25) ; R207.2 104.91,82.01 R198.1
/HPM6E00 FULL PORT MAINENTRY/24-TSN-P1/MDI0N: length 19
  Top w0.102: U23.2 111.18,86.55 111.1,86.63 110.68,86.63 110.35,86.96 v1(110.14,86.96) ; U25.3 125.55,89.33 125.07,89.81 124.76,89.81 v1(124.61,89.66)
  POWER3 w0.102: v1(124.61,89.66) 124.46,89.81 123.25,89.81 120.4,86.96 v1(110.14,86.96)
/HPM6E00 FULL PORT MAINENTRY/24-TSN-P1/MDI0P: length 19
  Top w0.102: v1(124.61,90.27) 124.76,90.11 125.07,90.11 125.55,90.6 U25.2 ; U23.1 111.18,86.95 111.1,86.86 110.77,86.86 110.52,87.12 v1(110.52,87.33)
  POWER3 w0.102: v1(110.52,87.33) 110.59,87.26 120.27,87.26 121.48,88.47 arc(121.55,88.64) 121.48,88.8 arc(121.41,88.97) 121.48,89.13 121.57,89.23 arc(121.74,89.3) 121.9,89.23 arc(122.07,89.16) 122.23,89.23 123.12,90.11 124.46,90.11 v1(124.61,90.27)
